# Altium PCB 测试样板PCB.PcbDoc (part 4 of 5) (continued)
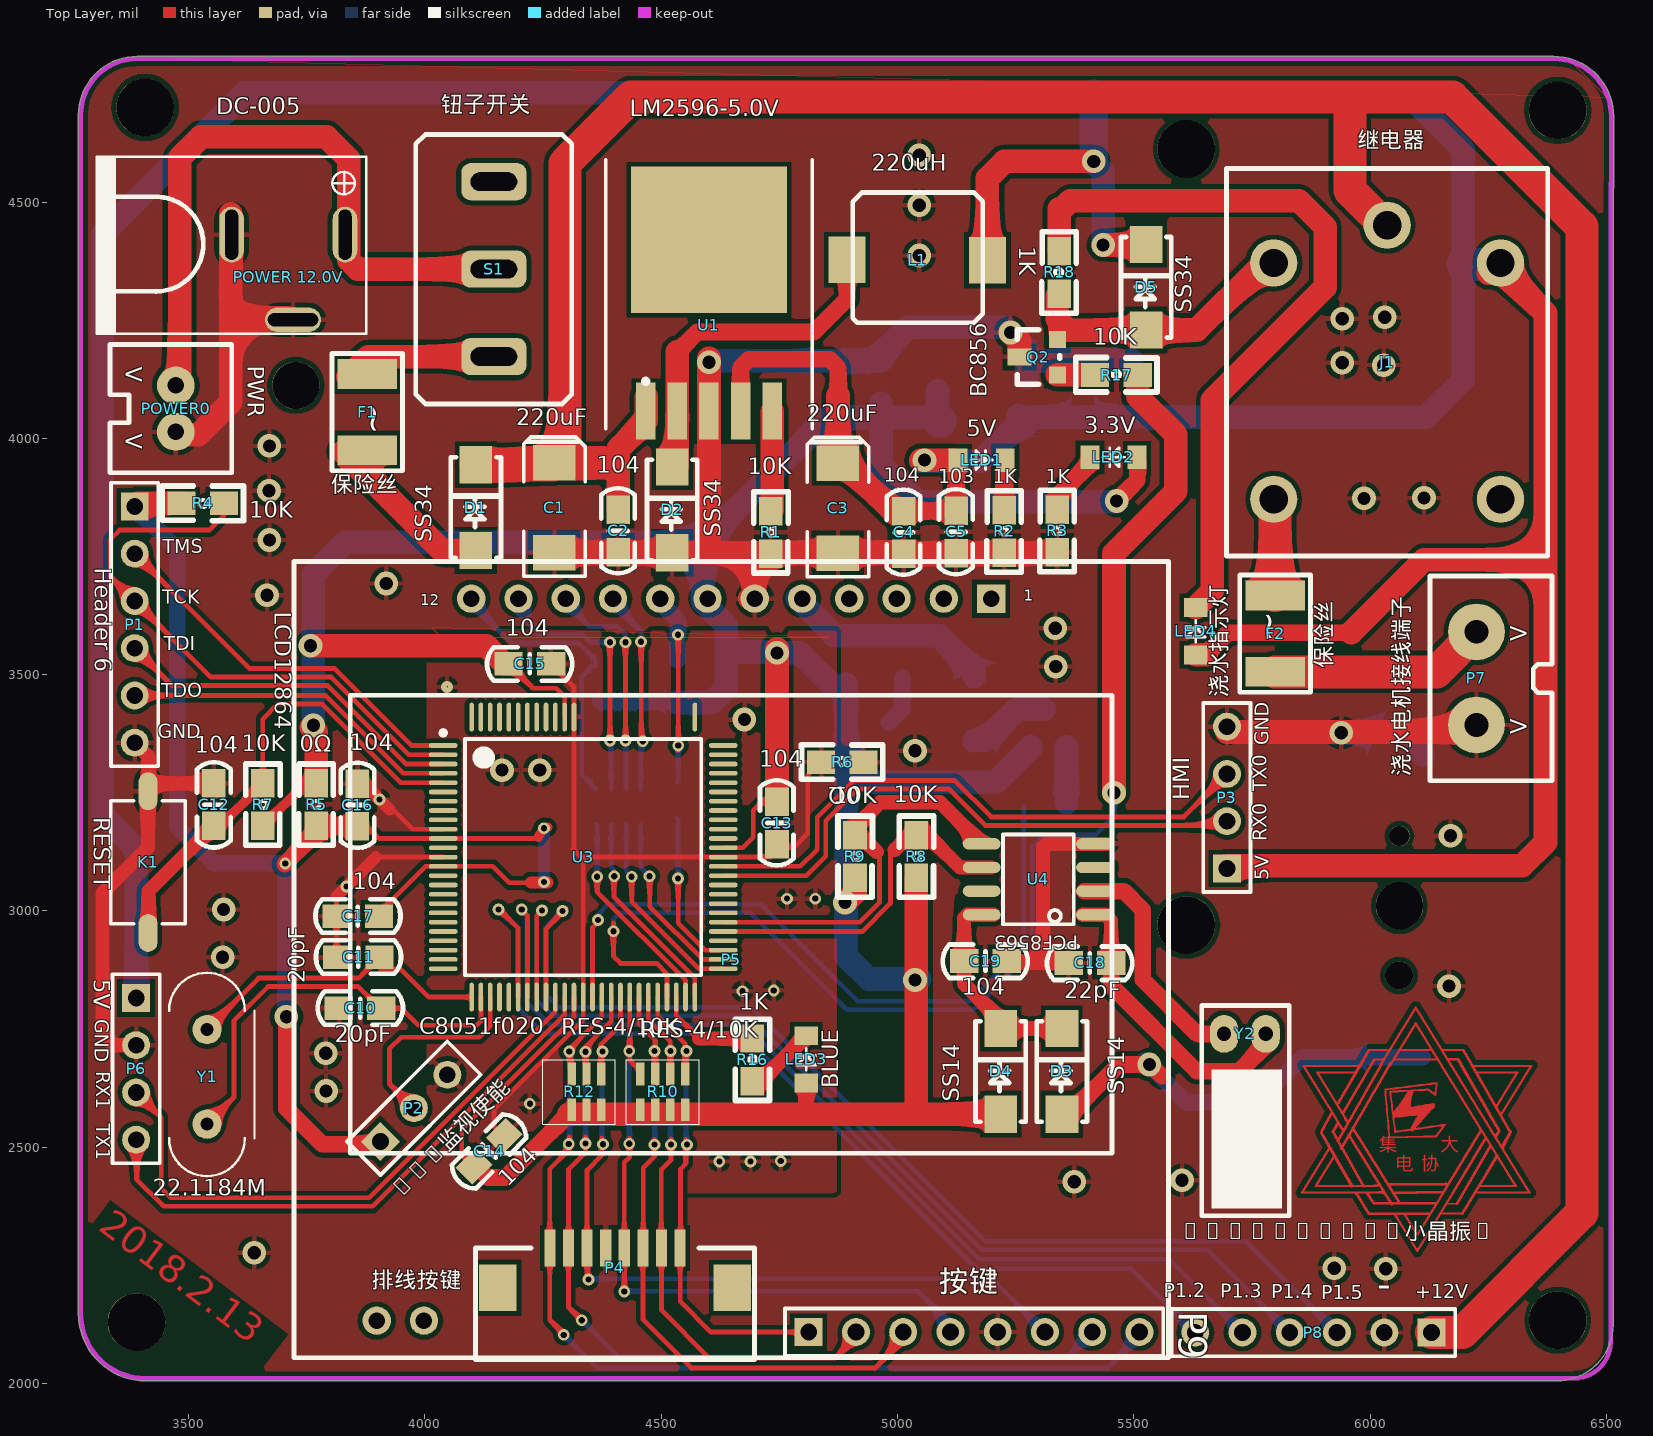
[diagram p0: Top Layer view]
## Nets (pads, with @x,y where several pads share a name; then routed paths per layer and width w, separated by ;. In a path a pad name is that pad's centre, name@x,y a point inside that pad or via, vN(x,y) a via of type N, cw(c..) or ccw(c..) an arc to the next point about the centre after c; other vN are vias at no path point) (continued)
6216.2,2509.8 6221,2509.8 ; 6216.2,2564.2 6220.2,2564.2 ; 6216.2,2565 6220.2,2565 ; 6216.2,2597.8 6220.2,2597.8 ; 6216.2,2598.6 6219.4,2598.6 ; 6216.2,2629 6221.8,2629 ; 6216.2,2629.8 6221,2629.8 ; 6216.2,2669 6221,2669 ; 6217,2400.2 6221.8,2400.2 ; 6217,2442.6 6221.8,2442.6 ; 6217,2477.8 6221.8,2477.8 ; 6217,2478.6 6221.8,2478.6 ; 6217,2510.6 6221.8,2510.6 ; 6217,2511.4 6221.8,2511.4 ; 6217,2562.6 6221,2562.6 ; 6217,2563.4 6221,2563.4 ; 6217,2597 6221,2597 ; 6217,2628.2 6222.6,2628.2 ; 6217,2667.4 6221.8,2667.4 ; 6217,2668.2 6221,2668.2 ; 6217.8,2401 6221.8,2401 ; 6217.8,2401.8 6222.6,2401.8 ; 6217.8,2443.4 6222.6,2443.4 ; 6217.8,2444.2 6222.6,2444.2 ; 6217.8,2479.4 6222.6,2479.4 ; 6217.8,2512.2 6222.6,2512.2 ; 6217.8,2561.8 6221.8,2561.8 ; 6217.8,2595.4 6221.8,2595.4 ; 6217.8,2596.2 6221,2596.2 ; 6217.8,2626.6 6223.4,2626.6 ; 6217.8,2627.4 6222.6,2627.4 ; 6217.8,2665.8 6222.6,2665.8 ; 6217.8,2666.6 6221.8,2666.6 ; 6218.6,2402.6 6223.4,2402.6 ; 6218.6,2403.4 6340.2,2403.4 ; 6218.6,2445 6223.4,2445 ; 6218.6,2445.8 6223.4,2445.8 ; 6218.6,2480.2 6223.4,2480.2 ; 6218.6,2481 6223.4,2481 ; 6218.6,2513 6222.6,2513 ; 6218.6,2513.8 6223.4,2513.8 ; 6218.6,2560.2 6222.6,2560.2 ; 6218.6,2561 6222.6,2561 ; 6218.6,2593.8 6222.6,2593.8 ; 6218.6,2594.6 6222.6,2594.6 ; 6218.6,2625 6224.2,2625 ; 6218.6,2664.2 6223.4,2664.2 ; 6218.6,2665 6223.4,2665 ; 6219.4,2404.2 6339.4,2404.2 ; 6219.4,2446.6 6224.2,2446.6 ; 6219.4,2447.4 6225,2447.4 ; 6219.4,2481.8 6224.2,2481.8 ; 6219.4,2482.6 6224.2,2482.6 ; 6219.4,2514.6 6224.2,2514.6 ; 6219.4,2515.4 6224.2,2515.4 ; 6219.4,2559.4 6223.4,2559.4 ; 6219.4,2593 6223.4,2593 ; 6219.4,2623.4 6225,2623.4 ; 6219.4,2624.2 6224.2,2624.2 ; 6219.4,2625.8 6223.4,2625.8 ; 6219.4,2663.4 6224.2,2663.4 ; 6220.2,2405 6338.6,2405 ; 6220.2,2405.8 6338.6,2405.8 ; 6220.2,2448.2 6225,2448.2 ; 6220.2,2483.4 6225,2483.4 ; 6220.2,2516.2 6225,2516.2 ; 6220.2,2557.8 6224.2,2557.8 ; 6220.2,2558.6 6223.4,2558.6 ; 6220.2,2591.4 6224.2,2591.4 ; 6220.2,2592.2 6223.4,2592.2 ; 6220.2,2621.8 6225.8,2621.8 ; 6220.2,2622.6 6225.8,2622.6 ; 6220.2,2661.8 6225,2661.8 ; 6220.2,2662.6 6224.2,2662.6 ; 6221,2406.6 6225.8,2406.6 ; 6221,2407.4 6225.8,2407.4 ; 6221,2449 6225.8,2449 ; 6221,2449.8 6225.8,2449.8 ; 6221,2484.2 6225.8,2484.2 ; 6221,2485 6225.8,2485 ; 6221,2517 6225,2517 ; 6221,2517.8 6225.8,2517.8 ; 6221,2556.2 6225,2556.2 ; 6221,2557 6225,2557 ; 6221,2589.8 6225,2589.8 ; 6221,2590.6 6225,2590.6 ; 6221,2621 6226.6,2621 ; 6221,2660.2 6313.8,2660.2 ; 6221,2661 6225,2661 ; 6221.8,2408.2 6226.6,2408.2 ; 6221.8,2450.6 6226.6,2450.6 ; 6221.8,2451.4 6226.6,2451.4 ; 6221.8,2485.8 6226.6,2485.8 ; 6221.8,2486.6 6226.6,2486.6 ; 6221.8,2518.6 6226.6,2518.6 ; 6221.8,2519.4 6226.6,2519.4 ; 6221.8,2555.4 6225.8,2555.4 ; 6221.8,2589 6225.8,2589 ; 6221.8,2619.4 6227.4,2619.4 ; 6221.8,2620.2 6226.6,2620.2 ; 6221.8,2658.6 6313,2658.6 ; 6221.8,2659.4 6313.8,2659.4 ; 6222.6,2409 6226.6,2409 ; 6222.6,2409.8 6227.4,2409.8 ; 6222.6,2452.2 6227.4,2452.2 ; 6222.6,2487.4 6227.4,2487.4 ; 6222.6,2520.2 6227.4,2520.2 ; 6222.6,2553.8 6226.6,2553.8 ; 6222.6,2554.6 6226.6,2554.6 ; 6222.6,2587.4 6226.6,2587.4 ; 6222.6,2588.2 6225.8,2588.2 ; 6222.6,2617.8 6228.2,2617.8 ; 6222.6,2618.6 6227.4,2618.6 ; 6222.6,2657.8 6313,2657.8 ; 6223.4,2410.6 6228.2,2410.6 ; 6223.4,2411.4 6228.2,2411.4 ; 6223.4,2453 6228.2,2453 ; 6223.4,2453.8 6228.2,2453.8 ; 6223.4,2488.2 6228.2,2488.2 ; 6223.4,2489 6228.2,2489 ; 6223.4,2521 6228.2,2521 ; 6223.4,2521.8 6228.2,2521.8 ; 6223.4,2553 6227.4,2553 ; 6223.4,2585.8 6227.4,2585.8 ; 6223.4,2586.6 6227.4,2586.6 ; 6223.4,2617 6229,2617 ; 6223.4,2656.2 6228.2,2656.2 ; 6223.4,2657 6227.4,2657 ; 6224.2,2412.2 6229,2412.2 ; 6224.2,2454.6 6229,2454.6 ; 6224.2,2455.4 6229,2455.4 ; 6224.2,2489.8 6229,2489.8 ; 6224.2,2490.6 6229,2490.6 ; 6224.2,2522.6 6229,2522.6 ; 6224.2,2523.4 6229,2523.4 ; 6224.2,2551.4 6228.2,2551.4 ; 6224.2,2552.2 6227.4,2552.2 ; 6224.2,2585 6228.2,2585 ; 6224.2,2615.4 6229.8,2615.4 ; 6224.2,2616.2 6229,2616.2 ; 6224.2,2654.6 6229,2654.6 ; 6224.2,2655.4 6228.2,2655.4 ; 6225,2413 6229.8,2413 ; 6225,2413.8 6229.8,2413.8 ; 6225,2456.2 6229.8,2456.2 ; 6225,2457 6229.8,2457 ; 6225,2491.4 6229.8,2491.4 ; 6225,2524.2 6229.8,2524.2 ; 6225,2549.8 6229,2549.8 ; 6225,2550.6 6229,2550.6 ; 6225,2583.4 6229,2583.4 ; 6225,2584.2 6228.2,2584.2 ; 6225,2613.8 6230.6,2613.8 ; 6225,2614.6 6229.8,2614.6 ; 6225,2653 6229.8,2653 ; 6225,2653.8 6229.8,2653.8 ; 6225.8,2414.6 6230.6,2414.6 ; 6225.8,2415.4 6230.6,2415.4 ; 6225.8,2457.8 6230.6,2457.8 ; 6225.8,2492.2 6230.6,2492.2 ; 6225.8,2493 6230.6,2493 ; 6225.8,2525 6230.6,2525 ; 6225.8,2525.8 6230.6,2525.8 ; 6225.8,2549 6229.8,2549 ; 6225.8,2581.8 6229.8,2581.8 ; 6225.8,2582.6 6229.8,2582.6 ; 6225.8,2612.2 6231.4,2612.2 ; 6225.8,2613 6231.4,2613 ; 6225.8,2652.2 6230.6,2652.2 ; 6226.6,2416.2 6231.4,2416.2 ; 6226.6,2458.6 6230.6,2458.6 ; 6226.6,2459.4 6231.4,2459.4 ; 6226.6,2493.8 6231.4,2493.8 ; 6226.6,2494.6 6231.4,2494.6 ; 6226.6,2526.6 6231.4,2526.6 ; 6226.6,2547.4 6230.6,2547.4 ; 6226.6,2548.2 6229.8,2548.2 ; 6226.6,2581 6230.6,2581 ; 6226.6,2610.6 6232.2,2610.6 ; 6226.6,2611.4 6232.2,2611.4 ; 6226.6,2650.6 6231.4,2650.6 ; 6226.6,2651.4 6230.6,2651.4 ; 6227.4,2417 6310.6,2417 ; 6227.4,2417.8 6310.6,2417.8 ; 6227.4,2460.2 6232.2,2460.2 ; 6227.4,2461 6232.2,2461 ; 6227.4,2495.4 6232.2,2495.4 ; 6227.4,2527.4 6231.4,2527.4 ; 6227.4,2528.2 6232.2,2528.2 ; 6227.4,2546.6 6231.4,2546.6 ; 6227.4,2579.4 6231.4,2579.4 ; 6227.4,2580.2 6231.4,2580.2 ; 6227.4,2609.8 6233,2609.8 ; 6227.4,2649 6232.2,2649 ; 6227.4,2649.8 6231.4,2649.8 ; 6228.2,2418.6 6309.8,2418.6 ; 6228.2,2461.8 6233,2461.8 ; 6228.2,2462.6 6233.8,2462.6 ; 6228.2,2496.2 6233,2496.2 ; 6228.2,2497 6233,2497 ; 6228.2,2529 6233,2529 ; 6228.2,2529.8 6233,2529.8 ; 6228.2,2545 6232.2,2545 ; 6228.2,2545.8 6231.4,2545.8 ; 6228.2,2578.6 6232.2,2578.6 ; 6228.2,2608.2 6233.8,2608.2 ; 6228.2,2609 6233,2609 ; 6228.2,2647.4 6233,2647.4 ; 6228.2,2648.2 6233,2648.2 ; 6229,2419.4 6309.8,2419.4 ; 6229,2420.2 6233.8,2420.2 ; 6229,2463.4 6233.8,2463.4 ; 6229,2497.8 6233.8,2497.8 ; 6229,2498.6 6233.8,2498.6 ; 6229,2530.6 6233.8,2530.6 ; 6229,2543.4 6233,2543.4 ; 6229,2544.2 6232.2,2544.2 ; 6229,2577 6233,2577 ; 6229,2577.8 6233,2577.8 ; 6229,2606.6 6234.6,2606.6 ; 6229,2607.4 6234.6,2607.4 ; 6229,2646.6 6233.8,2646.6 ; 6229.8,2421 6234.6,2421 ; 6229.8,2421.8 6234.6,2421.8 ; 6229.8,2464.2 6234.6,2464.2 ; 6229.8,2465 6234.6,2465 ; 6229.8,2499.4 6234.6,2499.4 ; 6229.8,2531.4 6233.8,2531.4 ; 6229.8,2532.2 6234.6,2532.2 ; 6229.8,2542.6 6233.8,2542.6 ; 6229.8,2575.4 6233.8,2575.4 ; 6229.8,2576.2 6233.8,2576.2 ; 6229.8,2605.8 6235.4,2605.8 ; 6229.8,2645 6234.6,2645 ; 6229.8,2645.8 6233.8,2645.8 ; 6230.6,2422.6 6235.4,2422.6 ; 6230.6,2465.8 6235.4,2465.8 ; 6230.6,2466.6 6235.4,2466.6 ; 6230.6,2500.2 6235.4,2500.2 ; 6230.6,2501 6235.4,2501 ; 6230.6,2533 6239.4,2533 ; 6230.6,2533.8 6239.4,2533.8 ; 6230.6,2541 6234.6,2541 ; 6230.6,2541.8 6233.8,2541.8 ; 6230.6,2574.6 6234.6,2574.6 ; 6230.6,2604.2 6236.2,2604.2 ; 6230.6,2605 6235.4,2605 ; 6230.6,2643.4 6235.4,2643.4 ; 6230.6,2644.2 6234.6,2644.2 ; 6231.4,2423.4 6235.4,2423.4 ; 6231.4,2424.2 6236.2,2424.2 ; 6231.4,2467.4 6236.2,2467.4 ; 6231.4,2468.2 6236.2,2468.2 ; 6231.4,2501.8 6236.2,2501.8 ; 6231.4,2502.6 6236.2,2502.6 ; 6231.4,2534.6 6238.6,2534.6 ; 6231.4,2539.4 6235.4,2539.4 ; 6231.4,2540.2 6235.4,2540.2 ; 6231.4,2573 6235.4,2573 ; 6231.4,2573.8 6235.4,2573.8 ; 6231.4,2602.6 6237,2602.6 ; 6231.4,2603.4 6236.2,2603.4 ; 6231.4,2641.8 6236.2,2641.8 ; 6231.4,2642.6 6236.2,2642.6 ; 6232.2,2425 6237,2425 ; 6232.2,2425.8 6237,2425.8 ; 6232.2,2469 6237,2469 ; 6232.2,2503.4 6237,2503.4 ; 6232.2,2535.4 6237.8,2535.4 ; 6232.2,2536.2 6237.8,2536.2 ; 6232.2,2538.6 6236.2,2538.6 ; 6232.2,2572.2 6236.2,2572.2 ; 6232.2,2601 6237.8,2601 ; 6232.2,2601.8 6237.8,2601.8 ; 6232.2,2641 6237,2641 ; 6233,2426.6 6237.8,2426.6 ; 6233,2469.8 6237.8,2469.8 ; 6233,2470.6 6237.8,2470.6 ; 6233,2504.2 6237.8,2504.2 ; 6233,2505 6237.8,2505 ; 6233,2537 6237,2537 ; 6233,2537.8 6236.2,2537.8 ; 6233,2570.6 6237,2570.6 ; 6233,2571.4 6236.2,2571.4 ; 6233,2599.4 6238.6,2599.4 ; 6233,2600.2 6238.6,2600.2 ; 6233,2639.4 6237.8,2639.4 ; 6233,2640.2 6237,2640.2 ; 6233.8,2427.4 6237.8,2427.4 ; 6233.8,2428.2 6238.6,2428.2 ; 6233.8,2471.4 6238.6,2471.4 ; 6233.8,2472.2 6239.4,2472.2 ; 6233.8,2505.8 6238.6,2505.8 ; 6233.8,2506.6 6238.6,2506.6 ; 6233.8,2569 6237.8,2569 ; 6233.8,2569.8 6237.8,2569.8 ; 6233.8,2598.6 6239.4,2598.6 ; 6233.8,2637.8 6238.6,2637.8 ; 6233.8,2638.6 6237.8,2638.6 ; 6234.6,2429 6239.4,2429 ; 6234.6,2429.8 6239.4,2429.8 ; 6234.6,2473 6239.4,2473 ; 6234.6,2473.8 6239.4,2473.8 ; 6234.6,2507.4 6239.4,2507.4 ; 6234.6,2568.2 6238.6,2568.2 ; 6234.6,2597 6240.2,2597 ; 6234.6,2597.8 6239.4,2597.8 ; 6234.6,2636.2 6239.4,2636.2 ; 6234.6,2637 6239.4,2637 ; 6235.4,2430.6 6240.2,2430.6 ; 6235.4,2474.6 6240.2,2474.6 ; 6235.4,2508.2 6239.4,2508.2 ; 6235.4,2509 6240.2,2509 ; 6235.4,2566.6 6239.4,2566.6 ; 6235.4,2567.4 6238.6,2567.4 ; 6235.4,2596.2 6241,2596.2 ; 6235.4,2635.4 6240.2,2635.4 ; 6236.2,2431.4 6240.2,2431.4 ; 6236.2,2432.2 6241,2432.2 ; 6236.2,2475.4 6241,2475.4 ; 6236.2,2476.2 6241,2476.2 ; 6236.2,2509.8 6241,2509.8 ; 6236.2,2510.6 6241,2510.6 ; 6236.2,2532.2 6240.2,2532.2 ; 6236.2,2565 6240.2,2565 ; 6236.2,2565.8 6240.2,2565.8 ; 6236.2,2594.6 6241.8,2594.6 ; 6236.2,2595.4 6241,2595.4 ; 6236.2,2633.8 6241,2633.8 ; 6236.2,2634.6 6240.2,2634.6 ; 6237,2433 6241.8,2433 ; 6237,2433.8 6241.8,2433.8 ; 6237,2477 6241.8,2477 ; 6237,2477.8 6241.8,2477.8 ; 6237,2511.4 6241.8,2511.4 ; 6237,2530.6 6241,2530.6 ; 6237,2531.4 6240.2,2531.4 ; 6237,2564.2 6241,2564.2 ; 6237,2593.8 6241.8,2593.8 ; 6237,2632.2 6241.8,2632.2 ; 6237,2633 6241,2633 ; 6237.8,2434.6 6242.6,2434.6 ; 6237.8,2478.6 6242.6,2478.6 ; 6237.8,2512.2 6241.8,2512.2 ; 6237.8,2513 6242.6,2513 ; 6237.8,2529.8 6241.8,2529.8 ; 6237.8,2562.6 6241.8,2562.6 ; 6237.8,2563.4 6241.8,2563.4 ; 6237.8,2591.4 6243.4,2591.4 ; 6237.8,2592.2 6242.6,2592.2 ; 6237.8,2593 6242.6,2593 ; 6237.8,2630.6 6242.6,2630.6 ; 6237.8,2631.4 6242.6,2631.4 ; 6238.6,2435.4 6243.4,2435.4 ; 6238.6,2436.2 6243.4,2436.2 ; 6238.6,2479.4 6243.4,2479.4 ; 6238.6,2480.2 6243.4,2480.2 ; 6238.6,2513.8 6243.4,2513.8 ; 6238.6,2514.6 6243.4,2514.6 ; 6238.6,2528.2 6242.6,2528.2 ; 6238.6,2529 6241.8,2529 ; 6238.6,2561.8 6242.6,2561.8 ; 6238.6,2589.8 6244.2,2589.8 ; 6238.6,2590.6 6244.2,2590.6 ; 6238.6,2629.8 6243.4,2629.8 ; 6239.4,2437 6244.2,2437 ; 6239.4,2437.8 6244.2,2437.8 ; 6239.4,2481 6244.2,2481 ; 6239.4,2481.8 6244.2,2481.8 ; 6239.4,2515.4 6244.2,2515.4 ; 6239.4,2526.6 6243.4,2526.6 ; 6239.4,2527.4 6242.6,2527.4 ; 6239.4,2560.2 6243.4,2560.2 ; 6239.4,2561 6242.6,2561 ; 6239.4,2588.2 6245,2588.2 ; 6239.4,2589 6245,2589 ; 6239.4,2628.2 6244.2,2628.2 ; 6239.4,2629 6243.4,2629 ; 6240.2,2438.6 6245,2438.6 ; 6240.2,2482.6 6245,2482.6 ; 6240.2,2483.4 6245,2483.4 ; 6240.2,2516.2 6244.2,2516.2 ; 6240.2,2517 6249.8,2517 ; 6240.2,2525 6244.2,2525 ; 6240.2,2525.8 6244.2,2525.8 ; 6240.2,2558.6 6244.2,2558.6 ; 6240.2,2559.4 6244.2,2559.4 ; 6240.2,2626.6 6245,2626.6 ; 6240.2,2627.4 6244.2,2627.4 ; 6241,2439.4 6245.8,2439.4 ; 6241,2440.2 6245.8,2440.2 ; 6241,2484.2 6245.8,2484.2 ; 6241,2517.8 6249,2517.8 ; 6241,2518.6 6248.2,2518.6 ; 6241,2524.2 6245,2524.2 ; 6241,2557.8 6245,2557.8 ; 6241,2585.8 6246.6,2585.8 ; 6241,2586.6 6245.8,2586.6 ; 6241,2587.4 6245.8,2587.4 ; 6241,2625.8 6245.8,2625.8 ; 6241.8,2441 6246.6,2441 ; 6241.8,2441.8 6246.6,2441.8 ; 6241.8,2485 6246.6,2485 ; 6241.8,2485.8 6246.6,2485.8 ; 6241.8,2519.4 6248.2,2519.4 ; 6241.8,2522.6 6245.8,2522.6 ; 6241.8,2523.4 6245.8,2523.4 ; 6241.8,2556.2 6245.8,2556.2 ; 6241.8,2557 6245.8,2557 ; 6241.8,2584.2 6247.4,2584.2 ; 6241.8,2585 6247.4,2585 ; 6241.8,2624.2 6246.6,2624.2 ; 6241.8,2625 6245.8,2625 ; 6242.6,2442.6 6247.4,2442.6 ; 6242.6,2486.6 6247.4,2486.6 ; 6242.6,2487.4 6247.4,2487.4 ; 6242.6,2520.2 6247.4,2520.2 ; 6242.6,2521 6246.6,2521 ; 6242.6,2521.8 6246.6,2521.8 ; 6242.6,2555.4 6246.6,2555.4 ; 6242.6,2583.4 6248.2,2583.4 ; 6242.6,2622.6 6247.4,2622.6 ; 6242.6,2623.4 6246.6,2623.4 ; 6243.4,2443.4 6248.2,2443.4 ; 6243.4,2444.2 6248.2,2444.2 ; 6243.4,2445 6249,2445 ; 6243.4,2488.2 6248.2,2488.2 ; 6243.4,2489 6248.2,2489 ; 6243.4,2553.8 6247.4,2553.8 ; 6243.4,2554.6 6247.4,2554.6 ; 6243.4,2581.8 6249,2581.8 ; 6243.4,2582.6 6248.2,2582.6 ; 6243.4,2621 6248.2,2621 ; 6243.4,2621.8 6248.2,2621.8 ; 6244.2,2446.6 6249.8,2446.6 ; 6244.2,2489.8 6249,2489.8 ; 6244.2,2552.2 6248.2,2552.2 ; 6244.2,2553 6248.2,2553 ; 6244.2,2581 6249,2581 ; 6244.2,2620.2 6249,2620.2 ; 6245,2445.8 6249,2445.8 ; 6245,2447.4 6250.6,2447.4 ; 6245,2490.6 6249.8,2490.6 ; 6245,2491.4 6249.8,2491.4 ; 6245,2551.4 6249,2551.4 ; 6245,2579.4 6250.6,2579.4 ; 6245,2580.2 6249.8,2580.2 ; 6245,2618.6 6249.8,2618.6 ; 6245,2619.4 6249,2619.4 ; 6245.8,2448.2 6250.6,2448.2 ; 6245.8,2449 6251.4,2449 ; 6245.8,2492.2 6250.6,2492.2 ; 6245.8,2493 6250.6,2493 ; 6245.8,2516.2 6249.8,2516.2 ; 6245.8,2549.8 6249.8,2549.8 ; 6245.8,2550.6 6249,2550.6 ; 6245.8,2577.8 6251.4,2577.8 ; 6245.8,2578.6 6250.6,2578.6 ; 6245.8,2617 6250.6,2617 ; 6245.8,2617.8 6249.8,2617.8 ; 6246.6,2449.8 6251.4,2449.8 ; 6246.6,2450.6 6252.2,2450.6 ; 6246.6,2493.8 6251.4,2493.8 ; 6246.6,2494.6 6252.2,2494.6 ; 6246.6,2514.6 6250.6,2514.6 ; 6246.6,2515.4 6250.6,2515.4 ; 6246.6,2548.2 6250.6,2548.2 ; 6246.6,2549 6250.6,2549 ; 6246.6,2576.2 6252.2,2576.2 ; 6246.6,2577 6251.4,2577 ; 6246.6,2615.4 6251.4,2615.4 ; 6246.6,2616.2 6251.4,2616.2 ; 6247.4,2451.4 6253,2451.4 ; 6247.4,2495.4 6252.2,2495.4 ; 6247.4,2513.8 6251.4,2513.8 ; 6247.4,2547.4 6251.4,2547.4 ; 6247.4,2574.6 6253,2574.6 ; 6247.4,2575.4 6252.2,2575.4 ; 6247.4,2614.6 6252.2,2614.6 ; 6248.2,2452.2 6253,2452.2 ; 6248.2,2453 6253.8,2453 ; 6248.2,2496.2 6253,2496.2 ; 6248.2,2497 6253,2497 ; 6248.2,2512.2 6252.2,2512.2 ; 6248.2,2513 6252.2,2513 ; 6248.2,2545.8 6252.2,2545.8 ; 6248.2,2546.6 6251.4,2546.6 ; 6248.2,2573.8 6253.8,2573.8 ; 6248.2,2613 6253,2613 ; 6248.2,2613.8 6252.2,2613.8 ; 6249,2453.8 6253.8,2453.8 ; 6249,2497.8 6253.8,2497.8 ; 6249,2498.6 6254.6,2498.6 ; 6249,2511.4 6253,2511.4 ; 6249,2545 6253,2545 ; 6249,2572.2 6254.6,2572.2 ; 6249,2573 6253.8,2573 ; 6249,2611.4 6253.8,2611.4 ; 6249,2612.2 6253,2612.2 ; 6249.8,2454.6 6254.6,2454.6 ; 6249.8,2455.4 6255.4,2455.4 ; 6249.8,2499.4 6254.6,2499.4 ; 6249.8,2509.8 6253.8,2509.8 ; 6249.8,2510.6 6253,2510.6 ; 6249.8,2543.4 6253.8,2543.4 ; 6249.8,2544.2 6253,2544.2 ; 6249.8,2570.6 6255.4,2570.6 ; 6249.8,2571.4 6254.6,2571.4 ; 6249.8,2609.8 6254.6,2609.8 ; 6249.8,2610.6 6254.6,2610.6 ; 6250.6,2456.2 6255.4,2456.2 ; 6250.6,2457 6256.2,2457 ; 6250.6,2500.2 6255.4,2500.2 ; 6250.6,2501 6259.4,2501 ; 6250.6,2508.2 6254.6,2508.2 ; 6250.6,2509 6254.6,2509 ; 6250.6,2541.8 6254.6,2541.8 ; 6250.6,2542.6 6254.6,2542.6 ; 6250.6,2569.8 6255.4,2569.8 ; 6250.6,2609 6255.4,2609 ; 6251.4,2457.8 6256.2,2457.8 ; 6251.4,2458.6 6257,2458.6 ; 6251.4,2501.8 6258.6,2501.8 ; 6251.4,2502.6 6257.8,2502.6 ; 6251.4,2507.4 6255.4,2507.4 ; 6251.4,2541 6255.4,2541 ; 6251.4,2568.2 6257,2568.2 ; 6251.4,2569 6256.2,2569 ; 6251.4,2607.4 6256.2,2607.4 ; 6251.4,2608.2 6255.4,2608.2 ; 6252.2,2459.4 6257.8,2459.4 ; 6252.2,2503.4 6257.8,2503.4 ; 6252.2,2505.8 6256.2,2505.8 ; 6252.2,2506.6 6255.4,2506.6 ; 6252.2,2539.4 6256.2,2539.4 ; 6252.2,2540.2 6255.4,2540.2 ; 6252.2,2565.8 6257.8,2565.8 ; 6252.2,2566.6 6257.8,2566.6 ; 6252.2,2567.4 6257,2567.4 ; 6252.2,2605.8 6257,2605.8 ; 6252.2,2606.6 6256.2,2606.6 ; 6253,2460.2 6257.8,2460.2 ; 6253,2461 6258.6,2461 ; 6253,2504.2 6257,2504.2 ; 6253,2505 6257,2505 ; 6253,2537.8 6257,2537.8 ; 6253,2538.6 6257,2538.6 ; 6253,2564.2 6253.8,2564.2 ; 6253,2565 6258.6,2565 ; 6253,2604.2 6257.8,2604.2 ; 6253,2605 6257.8,2605 ; 6253.8,2461.8 6259.4,2461.8 ; 6253.8,2462.6 6259.4,2462.6 ; 6253.8,2537 6257.8,2537 ; 6253.8,2603.4 6258.6,2603.4 ; 6254.6,2463.4 6260.2,2463.4 ; 6254.6,2464.2 6260.2,2464.2 ; 6254.6,2535.4 6258.6,2535.4 ; 6254.6,2536.2 6258.6,2536.2 ; 6254.6,2562.6 6260.2,2562.6 ; 6254.6,2563.4 6259.4,2563.4 ; 6254.6,2564.2 6258.6,2564.2 ; 6254.6,2601.8 6259.4,2601.8 ; 6254.6,2602.6 6258.6,2602.6 ; 6255.4,2465 6261,2465 ; 6255.4,2533.8 6259.4,2533.8 ; 6255.4,2534.6 6259.4,2534.6 ; 6255.4,2561 6261,2561 ; 6255.4,2561.8 6260.2,2561.8 ; 6255.4,2600.2 6260.2,2600.2 ; 6255.4,2601 6259.4,2601 ; 6256.2,2465.8 6261.8,2465.8 ; 6256.2,2466.6 6261.8,2466.6 ; 6256.2,2499.4 6260.2,2499.4 ; 6256.2,2500.2 6259.4,2500.2 ; 6256.2,2533 6260.2,2533 ; 6256.2,2559.4 6261.8,2559.4 ; 6256.2,2560.2 6261,2560.2 ; 6256.2,2598.6 6261,2598.6 ; 6256.2,2599.4 6261,2599.4 ; 6257,2467.4 6262.6,2467.4 ; 6257,2468.2 6262.6,2468.2 ; 6257,2497.8 6261,2497.8 ; 6257,2498.6 6261,2498.6 ; 6257,2531.4 6261,2531.4 ; 6257,2532.2 6261,2532.2 ; 6257,2558.6 6261.8,2558.6 ; 6257,2597.8 6261.8,2597.8 ; 6257.8,2469 6263.4,2469 ; 6257.8,2497 6261.8,2497 ; 6257.8,2529.8 6261.8,2529.8 ; 6257.8,2530.6 6261.8,2530.6 ; 6257.8,2557 6263.4,2557 ; 6257.8,2557.8 6262.6,2557.8 ; 6257.8,2596.2 6262.6,2596.2 ; 6257.8,2597 6261.8,2597 ; 6258.6,2469.8 6264.2,2469.8 ; 6258.6,2470.6 6264.2,2470.6 ; 6258.6,2495.4 6262.6,2495.4 ; 6258.6,2496.2 6261.8,2496.2 ; 6258.6,2529 6262.6,2529 ; 6258.6,2555.4 6264.2,2555.4 ; 6258.6,2556.2 6263.4,2556.2 ; 6258.6,2594.6 6263.4,2594.6 ; 6258.6,2595.4 6262.6,2595.4 ; 6259.4,2471.4 6265,2471.4 ; 6259.4,2472.2 6265,2472.2 ; 6259.4,2494.6 6263.4,2494.6 ; 6259.4,2527.4 6263.4,2527.4 ; 6259.4,2528.2 6263.4,2528.2 ; 6259.4,2553.8 6265,2553.8 ; 6259.4,2554.6 6264.2,2554.6 ; 6259.4,2593 6264.2,2593 ; 6259.4,2593.8 6264.2,2593.8 ; 6260.2,2473 6265.8,2473 ; 6260.2,2493 6264.2,2493 ; 6260.2,2493.8 6263.4,2493.8 ; 6260.2,2526.6 6264.2,2526.6 ; 6260.2,2553 6265,2553 ; 6260.2,2592.2 6265,2592.2 ; 6261,2474.6 6266.6,2474.6 ; 6261,2491.4 6265,2491.4 ; 6261,2492.2 6265,2492.2 ; 6261,2525 6265,2525 ; 6261,2525.8 6264.2,2525.8 ; 6261,2551.4 6266.6,2551.4 ; 6261,2552.2 6265.8,2552.2 ; 6261,2590.6 6265.8,2590.6 ; 6261,2591.4 6265,2591.4 ; 6261.8,2473.8 6266.6,2473.8 ; 6261.8,2475.4 6267.4,2475.4 ; 6261.8,2476.2 6267.4,2476.2 ; 6261.8,2490.6 6265.8,2490.6 ; 6261.8,2523.4 6267.4,2523.4 ; 6261.8,2524.2 6265.8,2524.2 ; 6261.8,2549.8 6267.4,2549.8 ; 6261.8,2550.6 6266.6,2550.6 ; 6261.8,2589 6270.6,2589 ; 6261.8,2589.8 6265.8,2589.8 ; 6262.6,2477 6268.2,2477 ; 6262.6,2477.8 6269,2477.8 ; 6262.6,2489 6266.6,2489 ; 6262.6,2489.8 6265.8,2489.8 ; 6262.6,2522.6 6268.2,2522.6 ; 6262.6,2548.2 6268.2,2548.2 ; 6262.6,2587.4 6269.8,2587.4 ; 6262.6,2588.2 6269.8,2588.2 ; 6263.4,2478.6 6273,2478.6 ; 6263.4,2479.4 6272.2,2479.4 ; 6263.4,2487.4 6267.4,2487.4 ; 6263.4,2488.2 6267.4,2488.2 ; 6263.4,2521 6267.4,2521 ; 6263.4,2521.8 6267.4,2521.8 ; 6263.4,2546.6 6269,2546.6 ; 6263.4,2547.4 6268.2,2547.4 ; 6263.4,2549 6267.4,2549 ; 6263.4,2586.6 6269,2586.6 ; 6264.2,2486.6 6268.2,2486.6 ; 6264.2,2519.4 6268.2,2519.4 ; 6264.2,2520.2 6268.2,2520.2 ; 6264.2,2545.8 6269.8,2545.8 ; 6264.2,2585 6269,2585 ; 6264.2,2585.8 6268.2,2585.8 ; 6265,2480.2 6272.2,2480.2 ; 6265,2481.8 6270.6,2481.8 ; 6265,2485 6269,2485 ; 6265,2485.8 6268.2,2485.8 ; 6265,2518.6 6269,2518.6 ; 6265,2525.8 6269.8,2525.8 ; 6265,2526.6 6270.6,2526.6 ; 6265,2527.4 6270.6,2527.4 ; 6265,2544.2 6270.6,2544.2 ; 6265,2545 6269.8,2545 ; 6265,2583.4 6269.8,2583.4 ; 6265,2584.2 6269,2584.2 ; 6265.8,2481 6271.4,2481 ; 6265.8,2482.6 6270.6,2482.6 ; 6265.8,2483.4 6269.8,2483.4 ; 6265.8,2484.2 6269.8,2484.2 ; 6265.8,2517 6269.8,2517 ; 6265.8,2517.8 6269.8,2517.8 ; 6265.8,2525 6269,2525 ; 6265.8,2528.2 6271.4,2528.2 ; 6265.8,2581.8 6270.6,2581.8 ; 6265.8,2582.6 6270.6,2582.6 ; 6266.6,2516.2 6270.6,2516.2 ; 6266.6,2529 6271.4,2529 ; 6266.6,2529.8 6272.2,2529.8 ; 6266.6,2541.8 6272.2,2541.8 ; 6266.6,2542.6 6271.4,2542.6 ; 6266.6,2543.4 6270.6,2543.4 ; 6266.6,2581 6271.4,2581 ; 6267.4,2514.6 6271.4,2514.6 ; 6267.4,2515.4 6270.6,2515.4 ; 6267.4,2524.2 6269,2524.2 ; 6267.4,2530.6 6273,2530.6 ; 6267.4,2540.2 6273,2540.2 ; 6267.4,2541 6272.2,2541 ; 6267.4,2579.4 6272.2,2579.4 ; 6267.4,2580.2 6271.4,2580.2 ; 6267.4,2589.8 6270.6,2589.8 ; 6267.4,2590.6 6271.4,2590.6 ; 6268.2,2513 6272.2,2513 ; 6268.2,2513.8 6272.2,2513.8 ; 6268.2,2523.4 6269,2523.4 ; 6268.2,2531.4 6273,2531.4 ; 6268.2,2539.4 6273,2539.4 ; 6268.2,2577.8 6273,2577.8 ; 6268.2,2578.6 6272.2,2578.6 ; 6268.2,2591.4 6271.4,2591.4 ; 6269,2512.2 6273,2512.2 ; 6269,2532.2 6273.8,2532.2 ; 6269,2533 6273.8,2533 ; 6269,2537.8 6273.8,2537.8 ; 6269,2538.6 6273.8,2538.6 ; 6269,2576.2 6273.8,2576.2 ; 6269,2577 6273.8,2577 ; 6269,2592.2 6272.2,2592.2 ; 6269,2593 6273,2593 ; 6269.8,2477 6273.8,2477 ; 6269.8,2477.8 6273.8,2477.8 ; 6269.8,2510.6 6273.8,2510.6 ; 6269.8,2511.4 6273.8,2511.4 ; 6269.8,2533.8 6274.6,2533.8 ; 6269.8,2536.2 6275.4,2536.2 ; 6269.8,2537 6274.6,2537 ; 6269.8,2575.4 6274.6,2575.4 ; 6269.8,2593.8 6273,2593.8 ; 6269.8,2594.6 6273.8,2594.6 ; 6270.6,2476.2 6274.6,2476.2 ; 6270.6,2509.8 6274.6,2509.8 ; 6270.6,2534.6 6275.4,2534.6 ; 6270.6,2535.4 6275.4,2535.4 ; 6270.6,2573.8 6275.4,2573.8 ; 6270.6,2574.6 6274.6,2574.6 ; 6270.6,2595.4 6274.6,2595.4 ; 6271.4,2474.6 6275.4,2474.6 ; 6271.4,2475.4 6274.6,2475.4 ; 6271.4,2508.2 6275.4,2508.2 ; 6271.4,2509 6274.6,2509 ; 6271.4,2572.2 6276.2,2572.2 ; 6271.4,2573 6275.4,2573 ; 6271.4,2596.2 6274.6,2596.2 ; 6271.4,2597 6275.4,2597 ; 6272.2,2473 6276.2,2473 ; 6272.2,2473.8 6275.4,2473.8 ; 6272.2,2506.6 6276.2,2506.6 ; 6272.2,2507.4 6276.2,2507.4 ; 6272.2,2570.6 6279.4,2570.6 ; 6272.2,2571.4 6280.2,2571.4 ; 6272.2,2597.8 6276.2,2597.8 ; 6272.2,2598.6 6276.2,2598.6 ; 6273,2472.2 6277,2472.2 ; 6273,2505.8 6277,2505.8 ; 6273,2569.8 6279.4,2569.8 ; 6273,2599.4 6277,2599.4 ; 6273.8,2470.6 6277.8,2470.6 ; 6273.8,2471.4 6277,2471.4 ; 6273.8,2504.2 6285,2504.2 ; 6273.8,2505 6277,2505 ; 6273.8,2568.2 6278.6,2568.2 ; 6273.8,2569 6278.6,2569 ; 6273.8,2600.2 6277,2600.2 ; 6273.8,2601 6277.8,2601 ; 6274.6,2469.8 6278.6,2469.8 ; 6274.6,2502.6 6284.2,2502.6 ; 6274.6,2503.4 6278.6,2503.4 ; 6274.6,2566.6 6279.4,2566.6 ; 6274.6,2567.4 6278.6,2567.4 ; 6274.6,2601.8 6278.6,2601.8 ; 6274.6,2602.6 6278.6,2602.6 ; 6275.4,2468.2 6279.4,2468.2 ; 6275.4,2469 6278.6,2469 ; 6275.4,2501.8 6284.2,2501.8 ; 6275.4,2565 6280.2,2565 ; 6275.4,2565.8 6280.2,2565.8 ; 6275.4,2603.4 6279.4,2603.4 ; 6276.2,2466.6 6280.2,2466.6 ; 6276.2,2467.4 6280.2,2467.4 ; 6276.2,2500.2 6283.4,2500.2 ; 6276.2,2501 6283.4,2501 ; 6276.2,2564.2 6281,2564.2 ; 6276.2,2604.2 6279.4,2604.2 ; 6276.2,2605 6280.2,2605 ; 6277,2465.8 6281,2465.8 ; 6277,2498.6 6281,2498.6 ; 6277,2499.4 6282.6,2499.4 ; 6277,2562.6 6281.8,2562.6 ; 6277,2563.4 6281,2563.4 ; 6277,2572.2 6281,2572.2 ; 6277,2605.8 6281,2605.8 ; 6277.8,2464.2 6281.8,2464.2 ; 6277.8,2465 6281,2465 ; 6277.8,2497.8 6281.8,2497.8 ; 6277.8,2561 6282.6,2561 ; 6277.8,2561.8 6281.8,2561.8 ; 6277.8,2573 6281,2573 ; 6277.8,2573.8 6281.8,2573.8 ; 6277.8,2606.6 6281,2606.6 ; 6277.8,2607.4 6281.8,2607.4 ; 6278.6,2462.6 6282.6,2462.6 ; 6278.6,2463.4 6282.6,2463.4 ; 6278.6,2496.2 6282.6,2496.2 ; 6278.6,2497 6282.6,2497 ; 6278.6,2505 6285.8,2505 ; 6278.6,2505.8 6279.4,2505.8 ; 6278.6,2559.4 6283.4,2559.4 ; 6278.6,2560.2 6283.4,2560.2 ; 6278.6,2574.6 6281.8,2574.6 ; 6278.6,2575.4 6282.6,2575.4 ; 6278.6,2608.2 6281.8,2608.2 ; 6278.6,2609 6282.6,2609 ; 6279.4,2461.8 6283.4,2461.8 ; 6279.4,2495.4 6283.4,2495.4 ; 6279.4,2503.4 6285,2503.4 ; 6279.4,2506.6 6286.6,2506.6 ; 6279.4,2507.4 6286.6,2507.4 ; 6279.4,2558.6 6284.2,2558.6 ; 6279.4,2576.2 6283.4,2576.2 ; 6279.4,2609.8 6283.4,2609.8 ; 6280.2,2460.2 6284.2,2460.2 ; 6280.2,2461 6283.4,2461 ; 6280.2,2493.8 6284.2,2493.8 ; 6280.2,2494.6 6283.4,2494.6 ; 6280.2,2505.8 6285.8,2505.8 ; 6280.2,2508.2 6287.4,2508.2 ; 6280.2,2557 6285,2557 ; 6280.2,2557.8 6284.2,2557.8 ; 6280.2,2577 6283.4,2577 ; 6280.2,2577.8 6284.2,2577.8 ; 6280.2,2610.6 6283.4,2610.6 ; 6280.2,2611.4 6284.2,2611.4 ; 6281,2459.4 6285,2459.4 ; 6281,2492.2 6285,2492.2 ; 6281,2493 6285,2493 ; 6281,2509 6287.4,2509 ; 6281,2555.4 6285.8,2555.4 ; 6281,2556.2 6285,2556.2 ; 6281,2578.6 6284.2,2578.6 ; 6281,2579.4 6285,2579.4 ; 6281,2612.2 6284.2,2612.2 ; 6281.8,2457.8 6285.8,2457.8 ; 6281.8,2458.6 6285,2458.6 ; 6281.8,2491.4 6285.8,2491.4 ; 6281.8,2509.8 6288.2,2509.8 ; 6281.8,2510.6 6288.2,2510.6 ; 6281.8,2511.4 6289,2511.4 ; 6281.8,2553.8 6286.6,2553.8 ; 6281.8,2554.6 6286.6,2554.6 ; 6281.8,2580.2 6285.8,2580.2 ; 6281.8,2613 6285,2613 ; 6281.8,2613.8 6285.8,2613.8 ; 6282.6,2456.2 6286.6,2456.2 ; 6282.6,2457 6286.6,2457 ; 6282.6,2489.8 6286.6,2489.8 ; 6282.6,2490.6 6285.8,2490.6 ; 6282.6,2512.2 6289,2512.2 ; 6282.6,2553 6287.4,2553 ; 6282.6,2581 6285.8,2581 ; 6282.6,2581.8 6286.6,2581.8 ; 6282.6,2614.6 6285.8,2614.6 ; 6282.6,2615.4 6286.6,2615.4 ; 6283.4,2455.4 6287.4,2455.4 ; 6283.4,2489 6287.4,2489 ; 6283.4,2513 6289.8,2513 ; 6283.4,2513.8 6285,2513.8 ; 6283.4,2551.4 6288.2,2551.4 ; 6283.4,2552.2 6287.4,2552.2 ; 6283.4,2582.6 6286.6,2582.6 ; 6283.4,2583.4 6287.4,2583.4 ; 6283.4,2616.2 6287.4,2616.2 ; 6284.2,2453.8 6288.2,2453.8 ; 6284.2,2454.6 6287.4,2454.6 ; 6284.2,2487.4 6288.2,2487.4 ; 6284.2,2488.2 6287.4,2488.2 ; 6284.2,2515.4 6290.6,2515.4 ; 6284.2,2549.8 6289,2549.8 ; 6284.2,2550.6 6288.2,2550.6 ; 6284.2,2584.2 6288.2,2584.2 ; 6284.2,2617 6287.4,2617 ; 6284.2,2617.8 6288.2,2617.8 ; 6285,2453 6289,2453 ; 6285,2485.8 6289,2485.8 ; 6285,2486.6 6288.2,2486.6 ; 6285,2514.6 6290.6,2514.6 ; 6285,2516.2 6291.4,2516.2 ; 6285,2548.2 6289.8,2548.2 ; 6285,2549 6289.8,2549 ; 6285,2585 6288.2,2585 ; 6285,2585.8 6289,2585.8 ; 6285,2618.6 6288.2,2618.6 ; 6285,2619.4 6289,2619.4 ; 6285.8,2451.4 6289.8,2451.4 ; 6285.8,2452.2 6289,2452.2 ; 6285.8,2485 6289.8,2485 ; 6285.8,2513.8 6289.8,2513.8 ; 6285.8,2517 6291.4,2517 ; 6285.8,2517.8 6292.2,2517.8 ; 6285.8,2547.4 6290.6,2547.4 ; 6285.8,2586.6 6289.8,2586.6 ; 6285.8,2620.2 6289.8,2620.2 ; 6286.6,2449.8 6290.6,2449.8 ; 6286.6,2450.6 6290.6,2450.6 ; 6286.6,2483.4 6290.6,2483.4 ; 6286.6,2484.2 6289.8,2484.2 ; 6286.6,2518.6 6292.2,2518.6 ; 6286.6,2519.4 6293,2519.4 ; 6286.6,2545.8 6291.4,2545.8 ; 6286.6,2546.6 6290.6,2546.6 ; 6286.6,2587.4 6289.8,2587.4 ; 6286.6,2588.2 6290.6,2588.2 ; 6286.6,2621 6289.8,2621 ; 6286.6,2621.8 6290.6,2621.8 ; 6287.4,2449 6291.4,2449 ; 6287.4,2481.8 6291.4,2481.8 ; 6287.4,2482.6 6291.4,2482.6 ; 6287.4,2520.2 6288.2,2520.2 ; 6287.4,2521 6293.8,2521 ; 6287.4,2544.2 6292.2,2544.2 ; 6287.4,2545 6291.4,2545 ; 6287.4,2589 6290.6,2589 ; 6287.4,2589.8 6291.4,2589.8 ; 6287.4,2622.6 6291.4,2622.6 ; 6288.2,2447.4 6292.2,2447.4 ; 6288.2,2448.2 6291.4,2448.2 ; 6288.2,2481 6292.2,2481 ; 6288.2,2521.8 6293.8,2521.8 ; 6288.2,2543.4 6293,2543.4 ; 6288.2,2590.6 6292.2,2590.6 ; 6288.2,2623.4 6291.4,2623.4 ; 6288.2,2624.2 6292.2,2624.2 ; 6289,2445.8 6293,2445.8 ; 6289,2446.6 6293,2446.6 ; 6289,2479.4 6293,2479.4 ; 6289,2480.2 6293,2480.2 ; 6289,2520.2 6293,2520.2 ; 6289,2522.6 6294.6,2522.6 ; 6289,2541.8 6293.8,2541.8 ; 6289,2542.6 6293,2542.6 ; 6289,2591.4 6292.2,2591.4 ; 6289,2592.2 6293,2592.2 ; 6289,2625 6292.2,2625 ; 6289,2625.8 6293,2625.8 ; 6289.8,2445 6293.8,2445 ; 6289.8,2477.8 6293.8,2477.8 ; 6289.8,2478.6 6293.8,2478.6 ; 6289.8,2523.4 6294.6,2523.4 ; 6289.8,2524.2 6295.4,2524.2 ; 6289.8,2525 6295.4,2525 ; 6289.8,2540.2 6294.6,2540.2 ; 6289.8,2541 6293.8,2541 ; 6289.8,2593 6293,2593 ; 6289.8,2626.6 6293.8,2626.6 ; 6290.6,2443.4 6294.6,2443.4 ; 6290.6,2444.2 6293.8,2444.2 ; 6290.6,2477 6294.6,2477 ; 6290.6,2525.8 6296.2,2525.8 ; 6290.6,2526.6 6296.2,2526.6 ; 6290.6,2538.6 6295.4,2538.6 ; 6290.6,2539.4 6295.4,2539.4 ; 6290.6,2593.8 6293.8,2593.8 ; 6290.6,2594.6 6294.6,2594.6 ; 6290.6,2627.4 6293.8,2627.4 ; 6290.6,2628.2 6294.6,2628.2 ; 6291.4,2441.8 6295.4,2441.8 ; 6291.4,2442.6 6295.4,2442.6 ; 6291.4,2475.4 6295.4,2475.4 ; 6291.4,2476.2 6295.4,2476.2 ; 6291.4,2527.4 6297,2527.4 ; 6291.4,2537.8 6296.2,2537.8 ; 6291.4,2595.4 6294.6,2595.4 ; 6291.4,2596.2 6295.4,2596.2 ; 6291.4,2629 6295.4,2629 ; 6291.4,2629.8 6295.4,2629.8 ; 6292.2,2441 6296.2,2441 ; 6292.2,2474.6 6296.2,2474.6 ; 6292.2,2528.2 6297,2528.2 ; 6292.2,2529 6297.8,2529 ; 6292.2,2536.2 6297,2536.2 ; 6292.2,2537 6296.2,2537 ; 6292.2,2597 6296.2,2597 ; 6292.2,2630.6 6296.2,2630.6 ; 6293,2439.4 6297,2439.4 ; 6293,2440.2 6297,2440.2 ; 6293,2473 6297,2473